# Altium PCB C3_AI_V2.PcbDoc (part 2 of 2)
Units mil, origin at the board's own origin, x right, y up, seen from the top; angles counter-clockwise.
Board outline 1771.65 x 1417.32 mil, 2 copper layers (Top Layer, Bottom Layer); 129 components, 82 nets, 390 pads, 222 vias.
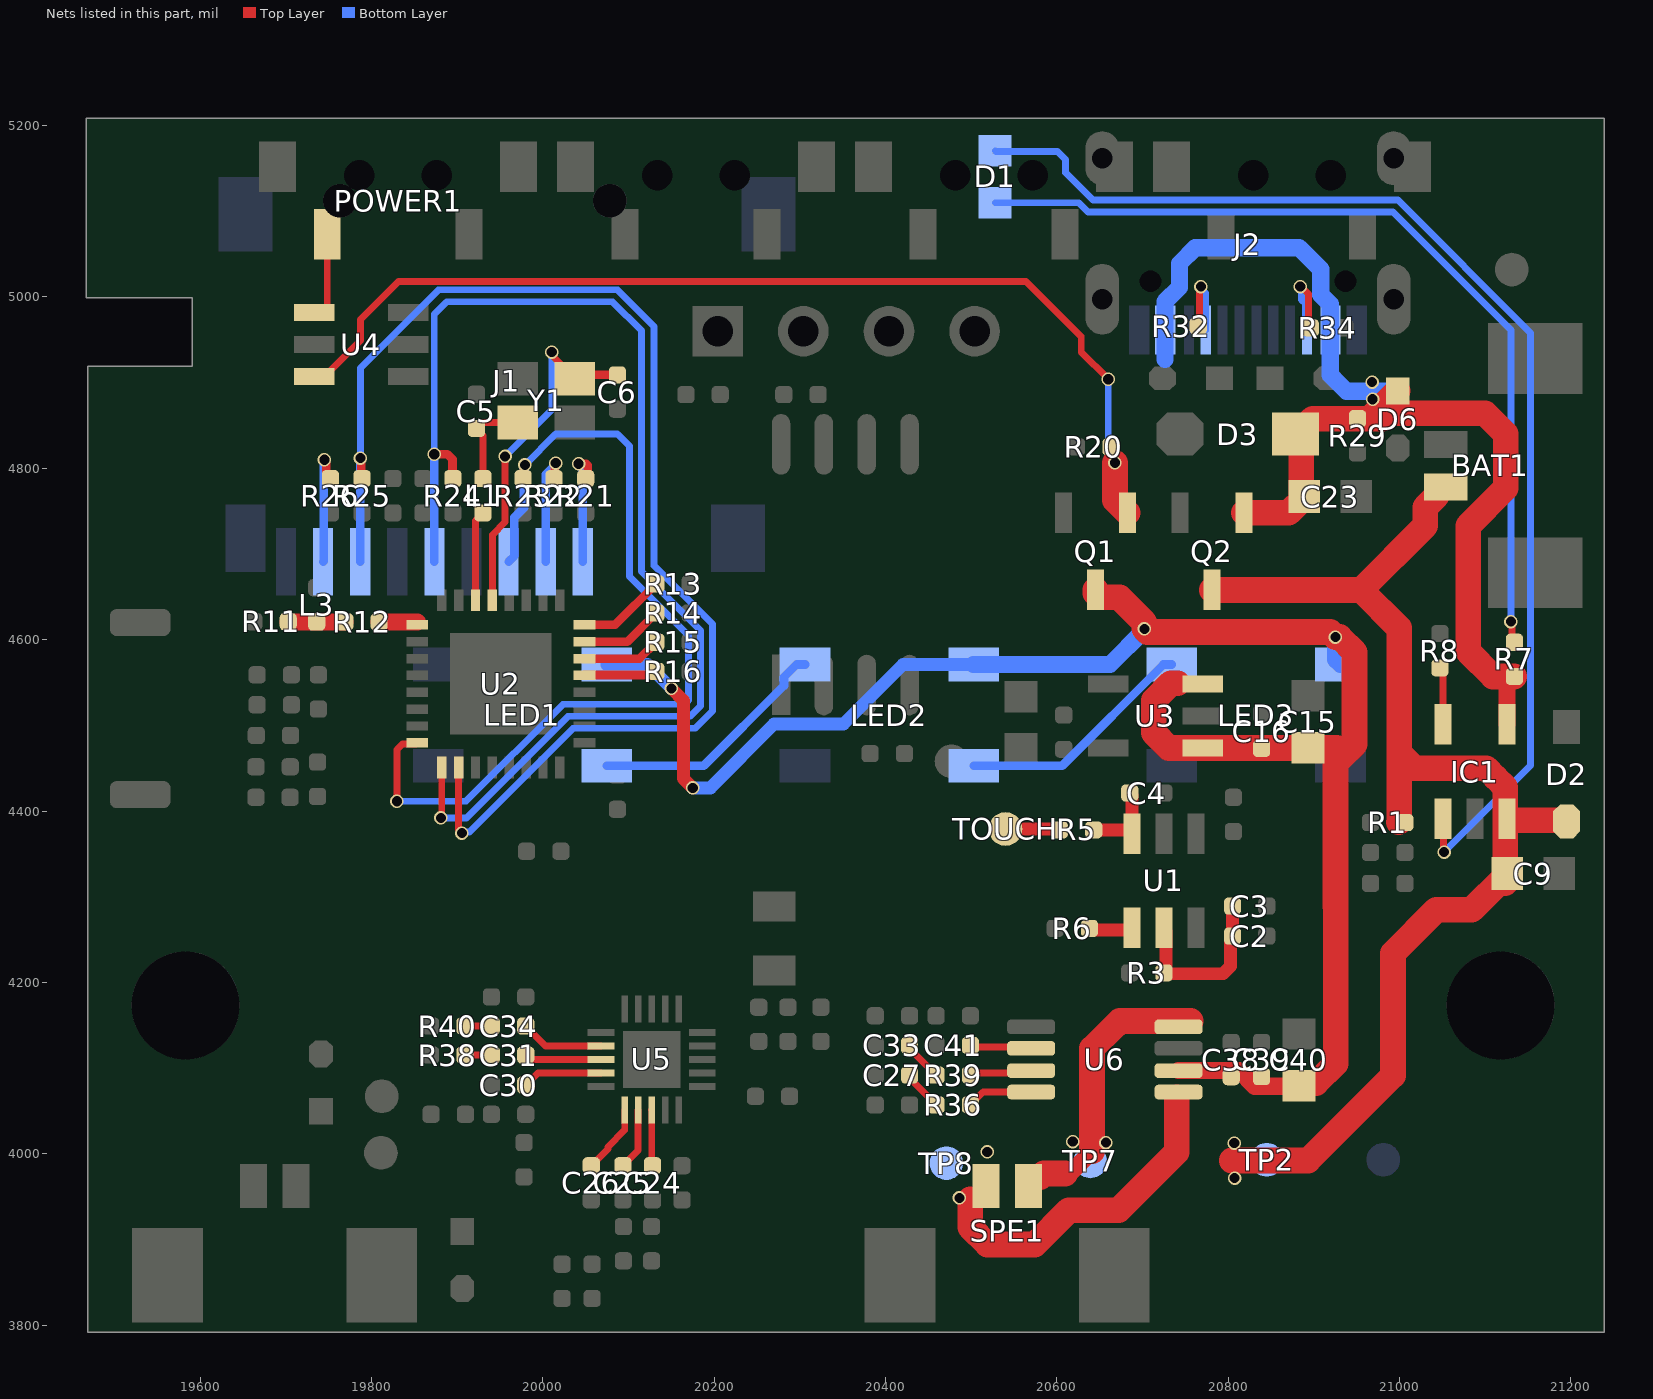
[diagram p2: the nets of this part, all layers, seen from the top]

## Via types
v1: diameter 15.75, hole 11.81, Top Layer to Bottom Layer, tented both sides, 222 vias

## Nets (pads, with @x,y where several pads share a name; then routed paths per layer and width w, separated by ;. In a path a pad name is that pad's centre, name@x,y a point inside that pad or via, vN(x,y) a via of type N, cw(c..) or ccw(c..) an arc to the next point about the centre after c; other vN are vias at no path point) (continued)
NetC2_2: C2.2 C3.2 R3.2 U1.5 | length 204.9
  Top Layer w15: U1.5@20723.88,4263.28 20727.35,4259.82 20727.35,4210 20793.89,4210 20802.68,4218.79 20802.68,4251.68 C2.2@20805,4254 C3.2@20805,4289
NetC4_2: C4.2 R5.2 U1.3 | length 90.9
  Top Layer w15: R5.2@20643,4378 20685.26,4378 20687.61,4375.66 U1.3@20687.61,4373.71 ; C4.2@20685,4421 20687.61,4418.39 U1.3@20687.61,4378.66
NetC5_2: C5.2 L1.2 Y1.1 | length 112.5
  Top Layer w8: L1.2@19930,4788 19930,4838.46 19922.5,4845.96 C5.2@19922.5,4846.5 19923.04,4846.5 19929.95,4853.41 Y1.1@19970.54,4853.41
NetC24_1: C24.1 U5.18 | length 65.4
  Top Layer w8: U5.18@20126.99,4050.95 20127.05,4050.89 20127.05,3986.95 C24.1@20128,3986
NetC25_1: C25.1 U5.17 | length 72.3
  Top Layer w8: C25.1@20093.5,3986 20111.25,4003.75 U5.17@20111.25,4050.95
NetC26_1: C26.1 U5.16 | length 81.1
  Top Layer w8: C26.1@20056.5,3986 20076,4005.5 20076,4008 20095.5,4027.5 U5.16@20095.5,4050.95
NetC27_1: C27.1 R36.1 | length 47.5
  Top Layer w8: C27.1@20428,4091.67 20433.38,4086.28 20433.38,4082.83 20459,4057.21 R36.1@20459,4057
NetC30_1: C30.1 U5.14 | length 93.8
  Top Layer w8: C30.1@19980,4080 19994.25,4094.25 U5.14@20067.94,4094.25
NetC31_1: C31.1 R38.2 | length 31
  Top Layer w8: R38.2@19909,4115 C31.1@19940,4115
NetC31_2: C31.2 U5.13 | length 90
  Top Layer w8: C31.2@19980,4115 19984.94,4110.06 20067.88,4110.06 U5.13@20067.94,4110
NetC33_1: C33.1 R39.1 | length 47.5
  Top Layer w8: C33.1@20428,4126.33 20433.38,4120.95 20433.38,4117.5 20459,4091.88 R39.1@20459,4091.67
NetC34_1: C34.1 R40.2 | length 31
  Top Layer w8: R40.2@19909,4149 C34.1@19940,4149
NetC34_2: C34.2 U5.12 | length 97.6
  Top Layer w8: C34.2@19980,4149 20003.25,4125.75 U5.12@20067.94,4125.75
NetC41_1: C41.1 U6.2 | length 72.4
  Top Layer w8: C41.1@20499,4126.33 20500.67,4124.67 20568.33,4124.67 U6.2@20570,4123
NetD1_A: D1.A R7.1 | length 1029.6
  Top Layer w8: v1(21129.87,4621) 21131.36,4619.52 21131.36,4599.64 R7.1@21134,4597
  Bottom Layer w8: D1.A@20528,5110 20625.2,5110 20636.17,5099.03 20992.27,5099.03 21129.87,4961.43 v1(21129.87,4621)
NetD1_K: D1.K IC1.1 | length 1409.4
  Top Layer w8: IC1.1@21050.6,4390.88 21051.3,4390.18 21051.3,4352.7 v1(21052,4352)
  Bottom Layer w8: D1.K@20528,5170.63 20528.91,5169.72 20600.6,5169.72 20610,5160.31 20610,5145 20641.97,5113.03 20998.07,5113.03 21153,4958.1 21153,4453 v1(21052,4352)
NetIC1_5: IC1.5 R8.1 | length 67
  Top Layer w8: IC1.5@21050.6,4501.12 21050.8,4501.32 21050.8,4567.8 R8.1@21051,4568
NetJ1_1: J1.1 R21.2 | length 144.5
  Top Layer w10: v1(20041.66,4805.36) 20050.44,4805.36 20052.54,4803.26 20052.54,4790.54 R21.2@20050,4788
  Bottom Layer w10: v1(20041.66,4805.36) 20046.61,4800.41 J1.1@20046.61,4691
NetJ1_2: J1.2 R22.2 | length 138.7
  Top Layer w10: R22.2@20013,4788 20014,4789 20014,4805 v1(20015,4806)
  Bottom Layer w10: J1.2@20003.31,4691 20003.31,4792.75 20015,4804.44 v1(20015,4806)
NetJ1_8: J1.8 R26.2 | length 144.5
  Top Layer w10: v1(19745,4810) 19745,4808.44 19747,4806.44 19747,4793 R26.2@19752,4788
  Bottom Layer w10: J1.8@19743.46,4691 19744.23,4691.77 19744.23,4809.23 v1(19745,4810)
NetJ2_A5: J2.A5 R32.2 | length 100.1
  Top Layer w8: R32.2@20765,4966 20766.52,4967.52 20766.52,5010.52 v1(20768,5012)
  Bottom Layer w8: v1(20768,5012) 20768,5009.9 20773.78,5004.12 J2.A5@20773.78,4961.53
NetJ2_B5: J2.B5 R34.1 | length 107.1
  Top Layer w8: v1(20884.1,5012) 20884.92,5012 20893.48,5003.44 20893.48,4966.52 R34.1@20896,4964
  Bottom Layer w8: v1(20884.1,5012) 20885.59,5010.52 20885.59,4996.74 20889.99,4992.35 20889.99,4963.44 J2.B5@20891.89,4961.53
NetL3_2: L3.2 R11.1 R12.2 | length 65.8
  Top Layer w20: R11.1@19702.86,4620.7 19735.94,4620.7 L3.2@19736.02,4620.61 ; L3.2@19736.34,4620.66 R12.2@19768.92,4620.66
NetLED1_2: LED1.2 LED2.4 | length 286
  Bottom Layer w10: LED1.2@20074.64,4452.9 20187.87,4452.9 20281.44,4546.47 20281.44,4556.31 20296.13,4571 LED2.4@20305.97,4571
NetLED2_2: LED2.2 LED3.4 | length 280.2
  Bottom Layer w10: LED2.2@20502.82,4452.9 20606.21,4452.9 20724.31,4571 LED3.4@20734.15,4571
NetPOWER1_1: POWER1.1 U4.4 | length 99.7
  Top Layer w8: U4.4@19733.88,4984.4 19742.48,4984.4 19748.32,4990.24 POWER1.1@19748.32,5073.1
NetR5_1: R5.1 TOUCH.1 | length 49.3
  Top Layer w15: TOUCH.1@20552,4379 R5.1@20601.26,4379
NetR6_2: R6.2 U1.4 | length 48.4
  Top Layer w15: R6.2@20639,4261 20684.2,4261 U1.4@20686.48,4263.28
NetR12_1: R12.1 U2.1 | length 44.4
  Top Layer w20: R12.1@19809,4620.72 U2.1@19853.39,4620.72
NetR13_2: R13.2 U2.24 | length 103.3
  Top Layer w10: U2.24@20048.47,4617.33 20084.33,4617.33 R13.2@20132,4665
NetR14_2: R14.2 U2.23 | length 97.3
  Top Layer w10: U2.23@20048.47,4597.64 20098.64,4597.64 R14.2@20132,4631
NetR15_2: R15.2 U2.22 | length 91.4
  Top Layer w10: U2.22@20048.47,4577.96 20112.96,4577.96 R15.2@20132,4597
NetR16_2: R16.2 U2.21 | length 85.5
  Top Layer w10: U2.21@20048.47,4558.27 20048.98,4558.78 20127.78,4558.78 R16.2@20132,4563
PA_INL+: R39.2 U6.3 | length 73.2
  Top Layer w8: R39.2@20499,4091.67 20501.67,4094.33 20567.33,4094.33 U6.3@20570,4097
PA_INL-: R36.2 U6.4 | length 77.2
  Top Layer w8: R36.2@20499,4057 20514,4072 U6.4@20570,4072
Power_EN: Q1.1 R20.2 U4.6 | length 1208.3
  Top Layer w8: U4.6@19733.88,4909.6 19747.66,4909.6 19787.25,4949.19 19787.25,4973.6 19831.55,5017.9 20564.13,5017.9 20628.36,4953.67 20628.36,4935.64 v1(20660,4904)
  Top Layer w30: v1(20667.76,4806.52) 20667.76,4762.64 Q1.1@20682.4,4748
  Bottom Layer w8: v1(20660,4904) 20660,4814.28 v1(20667.76,4806.52)
PS_Sup: C15.2 C16.2 C38.1 C39.1 C40.1 LED1.1 LED2.1 LED3.1 Q1.3 U3.1 U3.3 U6.6 | length 2190.7
  Top Layer w15: v1(20150,4543) 20164,4529 20164,4438 v1(20175,4427)
  Top Layer w20: U6.6@20742,4097 20803.44,4097 20812.7,4097 20831.01,4078.68 C40.1@20893.5,4078.68
  Top Layer w30: Q1.3@20645,4658 20645,4654.54 20650.16,4649.38 20672.95,4649.38 20702.03,4620.3 v1(20702.03,4612.56) 20705.64,4608.95 20919.05,4608.95 v1(20925,4603) 20929.91,4603 20947.48,4585.43 20947.48,4477.83 20932.29,4462.64 20925.26,4462.64 20925.26,4288.11 20925.44,4287.93 20925.44,4105.38 20902.52,4082.46 20886.82,4082.46 C40.1@20886.82,4078.68 ; 20741,4549 20733,4549 20713,4529 20713,4491.22 20730.57,4473.64 U3.1@20770.12,4473.6 20839,4473.64 20893,4473.64 20926.26,4473.64
  Bottom Layer w15: LED1.1@20074.64,4571 20122,4571 v1(20150,4543) ; v1(20175,4427) 20195.5,4427 20269.95,4501.45 20350.84,4501.45 20420.4,4571 LED2.1@20502.82,4571
  Bottom Layer w20: LED2.1@20502.82,4571 20662,4571 20702.03,4611.03 v1(20702.03,4612.56) ; v1(20925,4603) 20925,4577 LED3.1@20931,4571
SD_CLK: J1.5 R24.2 U2.9 | length 1479.9
  Top Layer w8: v1@19882.03,4392 U2.9@19882.03,4450.89
  Top Layer w10: v1(19873.17,4816.37) 19888.63,4816.37 19894.5,4810.5 19894.5,4788.5 R24.2@19895,4788
  Bottom Layer w8: v1(19873.17,4816.37) 19873.17,4979.75 19887.8,4994.37 20081.34,4994.37 20115,4960.72 20115,4679.58 20184.09,4610.49 20184.09,4522.66 20172.01,4510.59 20029.37,4510.59 19910.79,4392 v1(19881,4392)
  Bottom Layer w10: v1(19873.17,4816.37) 19873.38,4816.16 J1.5@19873.38,4691
SD_CMD: J1.3 R23.2 U2.8 | length 1082.3
  Top Layer w8: v1(19829.56,4411.4) 19829.56,4471.52 19836.05,4478.02 19851.88,4478.02 U2.8@19853.39,4479.53
  Top Layer w10: R23.2@19977,4788 19978,4789 19978,4803 v1(19979,4804)
  Bottom Layer w8: v1(19829.56,4411.4) 19910.39,4411.4 20023.57,4524.59 20165.4,4524.59 20170.09,4529.27 20170.09,4604.69 20101,4673.78 20101,4825.91 20086.91,4840 20015,4840 v1(19979,4804)
  Bottom Layer w10: J1.3@19960,4691 19966.81,4697.81 19966.81,4742.81 19978,4754 19978,4803 v1(19979,4804)
SD_DATA0: J1.7 R25.2 U2.10 | length 1556.4
  Top Layer w8: U2.10@19901.72,4450.89 19901.72,4378.28 19905.51,4374.49 v1(19905.51,4374.13)
  Top Layer w10: v1(19787,4812) 19788,4811 19788,4789 R25.2@19789,4788
  Bottom Layer w8: v1(19787,4812) 19787,4917 19878.37,5008.37 20087.14,5008.37 20129.91,4965.6 20129.91,4686.29 20198.09,4618.11 20198.09,4516.86 20177.81,4496.59 20035.17,4496.59 19914.2,4375.61 19906.99,4375.61 v1(19905.51,4374.13)
  Bottom Layer w10: J1.7@19786.77,4691 19786.77,4811.77 v1(19787,4812)
SPEAKER_N: SPE1.1 TP7.1 U6.8 | length 343.5
  Top Layer w20: 20612.35,3974.35 20641,4003
  Top Layer w30: SPE1.1@20566.61,3962.12 20566.61,3971.96 20567.35,3972.71 20580.71,3972.71 20584.93,3976.93 20609.78,3976.93 ; 20641,4003 20641,4122.73 20667.77,4149.5 20667.97,4149.5 20673.32,4154.85 20742,4154.85 U6.8@20755.9,4154.85
  other v1: 20657.17,4013.03 20618.48,4014.19
SPEAKER_P: SPE1.2 TP8.1 U6.5 | length 390.4
  Top Layer w30: 20499,3947 20499,3914 20519,3894 20574,3894 20614,3934 20671.88,3934 20739.88,4002 U6.5@20739.88,4065.5
  other v1: 20486.14,3948.49 20518.76,4002.16
VBUS: C23.2 D3.1 D6.1 IC1.4 J2.A4 J2.A9 J2.B4 J2.B9 Q2.1 R7.2 R29.2 | length 1366.5
  Top Layer w20: IC1.4@21125.4,4501.12 21125.56,4501.28 21125.56,4548.56 R7.2@21134,4557
  Top Layer w30: Q2.1@20818.4,4748 20870.67,4748 20888.69,4766.02 C23.2@20888.69,4767 20885.38,4770.31 20885.38,4833.12 D3.1@20878.5,4840 20881,4840 20898.81,4857.81 20950.81,4857.81 R29.2@20951,4858 20965.06,4858 ; D6.1@20998,4890.46 20997.53,4890.46 20972.6,4865.53 20965.06,4858 ; R7.2@21134,4557 21109.05,4557 21080,4586.05 21080,4733 21124,4777 21124,4840 21099.65,4864.35 20986.48,4864.35 20980.13,4858 20965.06,4858
  Bottom Layer w20: 20726,4927 20726,4961.53 20726,4994.37 20743,5011.37 20743,5039 20761.5,5057.5 20882.79,5057.5 20907.98,5032.31 20907.98,5002.64 20918.99,4991.63 20918.99,4961.22 20918.99,4909.01 20938,4890 20982,4890
  other v1: 20968.57,4880.67 20967.86,4900.66
VCC_BAT_IN: BAT1.2 C9.1 D2.2 IC1.3 Q2.3 R1.2 TP2.1 | length 1494
  Top Layer w30: Q2.3@20781,4658 20955,4658 ; 20804,3992 20893,3992 20992.21,4091.21 20992.21,4234 21042.79,4284.58 21084.25,4284.58 21122.38,4322.71 C9.1@21123.31,4322.71 ; R1.2@20999,4387 20999.5,4387.5 20999.5,4467.57 ; BAT1.2@21053.88,4778.39 21044.04,4778.39 21043.29,4777.65 21043.29,4767.8 21030,4754.51 21030,4733 20955,4658 ; C9.1@21123.31,4316 21123.31,4427.69 21111.99,4439.01 21101,4450 21017.07,4450 20999.5,4467.57 ; IC1.3@21125.4,4390.88 21126.9,4389.38 21194.25,4389.38 21195,4388.63 D2.2@21195,4387.88 ; 20955,4658 20999.5,4613.5 20999.5,4467.57
  other v1: 20807.33,3971.56 20807.04,4012.27
X40MI: L1.1 U2.30 | length 105.6
  Top Layer w8: U2.30@19921.4,4645.97 19921.4,4738.86 19930,4747.46 L1.1@19930,4748
X40MO: C6.1 U2.29 Y1.3 | length 411.9
  Top Layer w8: U2.29@19941.09,4645.97 19941.09,4722.43 19956,4737.34 v1(19956,4814) ; v1(20010.42,4935.59) 20010.42,4931.64 Y1.3@20037.46,4904.59
  Top Layer w10: Y1.3@20037.46,4904.59 20041.87,4909 C6.1@20087,4909
  Bottom Layer w8: v1(19956,4814) 20010.42,4868.42 v1(20010.42,4935.59)
pads on no net: A1. BOOT1.0 J1.0 J1.9 J1.11 J1.12 J1.13 J2.0 J2.1 J2.A8 J2.B8 LED3.2 POWER1.0 S1.0 SCREW1.1 SCREW2.1 SPE1.0 U3.4 U4.3 U4.5 VOL_DOWN1.0

## Polygon pours and split planes (outlines as drawn)
ADC_GND on Top Layer "NONET_L01_P-001" (solid, remove dead copper, pour order 3): 19470,4223 19474,4219 21241,4219 21241,3788 21243,3786 19466,3786 19466,4213 19472,4219
GND on Top Layer "NONET_L01_P-001" (solid, remove dead copper, pour order 0): 19475,5216 19479,5212 21241,5212 21241,4250 19473,4250 19473,5214
ADC_GND on Bottom Layer "NONET_L01_P-001" (solid, remove dead copper, pour order 4): 19470,4227 19474,4223 21241,4223 21241,3792 21243,3790 19466,3790 19466,4217 19472,4223
GND on Bottom Layer "NONET_L01_P-001" (solid, remove dead copper, pour order 2): 19470,5218 19474,5214 21236,5214 21236,4251 19468,4251 19468,5216

## Other copper
Top Layer:
  rectangle net VCC_BAT_IN: 20791,3958 20888,4027
  rectangle net SPEAKER_N: 20609,3965 20667,4025
  rectangle net SPEAKER_P: 20465,3937 20531,4014
  rectangle net VBUS: 20955,4872 21014,4911
  pour cut-out: 19836.34,4606 19836.58,4631.83 19832.06,4636.35 19635,4636.35 19635,5208.68 19466.66,5208.67 19466.66,3791.35 19635,3791.35 19635,4606
Bottom Layer:
  rectangle net 3V3_ESP32: 19657,4265.39 20322.68,4299.43
  rectangle net VCC_BAT_IN: 20791,3961 20889,4026
  rectangle net SPEAKER_N: 20609,3966 20667,4025
  rectangle net SPEAKER_P: 20466,3939 20530,4013
  rectangle net VBUS: 20955,4872 21013,4911
  pour cut-out: 19868,4606 19868,4636.35 19634,4636.35 19634,5208.68 19466.66,5208.67 19466.66,3791.35 19634,3791.35 19634,4606

## Silkscreen, mask and mechanical layers (free items; w line width, h text height)
Top Overlay:
  lines w10: 19468.89,4146 19587,4146 19587,3791.67 ; 19831,5140 20874.31,5140 ; 20352.83,4999 20352.83,5207 ; 20824.19,5113.62 21237.58,5113.62 ; 21120.89,3792.67 21120.89,4147 21239,4147
  text "GND" at 21105.51,5073.62 h60
  text "BAT+" at 20934,4692 h60
  text "3V3" at 20409,4380.5 h60
  text "M-" at 19853,4061 h60
  text "M-" at 19635,4007 h60
  text "M+" at 19853,3980 h60
Bottom Overlay:
  text "JLCJLCJLCJLC" at 20185,4839 h39.37
  text "SPEAKER-" at 20769,4044.5 h60
  text "SPEAKER+" at 20569.86,3910.57 h60
  text "BAT+" at 20894,3910 h60
  text "BAT-" at 21037.61,3908.46 h60
Top Solder:
  text "XiaoZhi AI" at 20764,3831 h98.43
Mechanical 1:
  lines w10: 19467,4999 19467,5208.67 21238.65,5208.67 21238.65,3791.35 19469,3791.35 19469,4229 19469,4311 19469,4919 19591,4919 19591,4999 19467,4999
Mechanical 20:
  text "R" at 18527.48,6863.83 h98.43
  text "G" at 18596.2,6863.83 h98.43
  text "B" at 18665.99,6863.83 h98.43
Mechanical 21:
  text "PANEL PROC KEY" at 18514.62,5067.61 h0.49
  text "PANEL PROC KEY" at 19420.13,5067.61 h0.49
Mechanical 28:
  text "VGH" at 18746.74,5065.63 h0.49 r90
  text "VGH" at 18751.46,5065.63 h0.49 r90
  text "VGH" at 18756.19,5065.63 h0.49 r90
  text "VGH" at 18760.91,5065.63 h0.49 r90
  text "VPP" at 18765.64,5065.55 h0.49 r90
  text "VPP" at 18770.36,5065.55 h0.49 r90
  text "VPP" at 18775.09,5065.55 h0.49 r90
  text "VCC" at 18779.81,5065.63 h0.49 r90
  text "VCC" at 18784.53,5065.63 h0.49 r90
  text "VCC" at 18789.26,5065.63 h0.49 r90
  text "VCC" at 18793.98,5065.63 h0.49 r90
  text "VCC" at 18798.71,5065.63 h0.49 r90
  text "VCC" at 18803.43,5065.63 h0.49 r90
  text "SDO" at 18869.57,5065.71 h0.49 r90
  text "TE" at 18874.3,5065.88 h0.49 r90
  text "SDA" at 18964.06,5065.71 h0.49 r90
  text "RDX" at 18987.68,5065.63 h0.49 r90
  text "WRX" at 18992.41,5065.55 h0.49 r90
  text "DCX" at 18997.13,5065.71 h0.49 r90
  text "CSX" at 19001.86,5065.71 h0.49 r90
  text "IM0" at 19011.31,5065.75 h0.49 r90
  text "IM1" at 19016.03,5065.8 h0.49 r90
  text "IM2" at 19020.76,5065.71 h0.49 r90
  text "IM3" at 19025.48,5065.71 h0.49 r90
  text "VDD" at 19096.35,5065.63 h0.49 r90
  text "VDD" at 19101.07,5065.63 h0.49 r90
  text "VDD" at 19105.79,5065.63 h0.49 r90
  text "VDD" at 19110.52,5065.63 h0.49 r90
  text "V20" at 19129.42,5065.59 h0.49 r90
  text "V20" at 19134.14,5065.59 h0.49 r90
  text "V20" at 19138.87,5065.59 h0.49 r90
  text "VAP" at 19143.59,5065.55 h0.49 r90
  text "VAP" at 19148.31,5065.55 h0.49 r90
  text "VAP" at 19153.04,5065.55 h0.49 r90
  text "VAN" at 19157.76,5065.55 h0.49 r90
  text "VAN" at 19162.49,5065.55 h0.49 r90
  text "VAN" at 19167.21,5065.55 h0.49 r90
  text "VGL" at 19200.28,5065.63 h0.49 r90
  text "VGL" at 19205.01,5065.63 h0.49 r90
  text "VAG" at 19233.35,5065.55 h0.49 r90
  text "GND" at 19256.98,5065.71 h0.49 r90
  text "DUMMY" at 18671.15,5065.22 h0.49 r90
  text "NULL" at 18675.87,5065.39 h0.49 r90
  text "DUMMY" at 18680.6,5065.22 h0.49 r90
  text "DUMMY" at 18685.32,5065.22 h0.49 r90
  text "VCOM" at 18690.05,5065.39 h0.49 r90
  text "VCOM" at 18694.77,5065.39 h0.49 r90
  text "VCOM" at 18699.5,5065.39 h0.49 r90
  text "VCOM" at 18704.22,5065.39 h0.49 r90
  text "DUMMYR2" at 18708.94,5064.73 h0.49 r90
  text "DUMMYR1" at 18713.67,5064.81 h0.49 r90
  text "AGND" at 18718.39,5065.47 h0.49 r90
  text "AGND" at 18723.12,5065.47 h0.49 r90
  text "AGND" at 18727.84,5065.47 h0.49 r90
  text "DUMMY" at 18732.57,5065.22 h0.49 r90
  text "DUMMY" at 18737.29,5065.22 h0.49 r90
  text "DUMMY" at 18742.01,5065.22 h0.49 r90
  text "VDDI" at 18808.16,5065.47 h0.49 r90
  text "VDDI" at 18812.88,5065.47 h0.49 r90
  text "VDDI" at 18817.61,5065.47 h0.49 r90
  text "VDDI" at 18822.33,5065.47 h0.49 r90
  text "DB<23>" at 18827.05,5065.06 h0.49 r90
  text "DB<22>" at 18831.78,5065.06 h0.49 r90
  text "DB<21>" at 18836.5,5065.14 h0.49 r90
  text "DB<20>" at 18841.23,5065.1 h0.49 r90
  text "DB<19>" at 18845.95,5065.14 h0.49 r90
  text "DB<18>" at 18850.68,5065.14 h0.49 r90
  text "LED_EN" at 18860.13,5064.97 h0.49 r90
  text "LED_PWM" at 18864.85,5064.65 h0.49 r90
  text "DB<17>" at 18879.02,5065.14 h0.49 r90
  text "DB<16>" at 18883.75,5065.14 h0.49 r90
  text "DB<15>" at 18888.47,5065.14 h0.49 r90
  text "DB<14>" at 18893.2,5065.14 h0.49 r90
  text "DB<13>" at 18897.92,5065.14 h0.49 r90
  text "DB<12>" at 18902.64,5065.14 h0.49 r90
  text "DB<11>" at 18907.37,5065.22 h0.49 r90
  text "DB<10>" at 18912.09,5065.18 h0.49 r90
  text "DB<9>" at 18916.82,5065.3 h0.49 r90
  text "DB<8>" at 18921.54,5065.3 h0.49 r90
  text "DB<7>" at 18926.27,5065.3 h0.49 r90
  text "DB<6>" at 18930.99,5065.3 h0.49 r90
  text "DB<5>" at 18935.72,5065.3 h0.49 r90
  text "DB<4>" at 18940.44,5065.3 h0.49 r90
  text "DB<3>" at 18945.16,5065.3 h0.49 r90
  text "DB<2>" at 18949.89,5065.3 h0.49 r90
  text "DB<1>" at 18954.61,5065.39 h0.49 r90
  text "DB<0>" at 18959.34,5065.34 h0.49 r90
  text "DOTCLK" at 18968.79,5064.97 h0.49 r90
  text "ENABLE" at 18973.51,5064.97 h0.49 r90
  text "HSYNC" at 18978.24,5065.22 h0.49 r90
  text "VSYNC" at 18982.96,5065.14 h0.49 r90
  text "RESX" at 19006.58,5065.39 h0.49 r90
  text "EXTC" at 19030.2,5065.39 h0.49 r90
  text "DUMMY" at 19034.93,5065.22 h0.49 r90
  text "DGND" at 19039.65,5065.47 h0.49 r90
  text "DGND" at 19044.38,5065.47 h0.49 r90
  text "DGND" at 19049.1,5065.47 h0.49 r90
  text "DGND" at 19053.83,5065.47 h0.49 r90
  text "AGND" at 19058.55,5065.47 h0.49 r90
  text "AGND" at 19063.27,5065.47 h0.49 r90
  text "AGND" at 19068,5065.47 h0.49 r90
  text "AGND" at 19072.72,5065.47 h0.49 r90
  text "AGND" at 19077.45,5065.47 h0.49 r90
  text "AGND" at 19082.17,5065.47 h0.49 r90
  text "AGND" at 19086.9,5065.47 h0.49 r90
  text "AGND" at 19091.62,5065.47 h0.49 r90
  text "DUMMY" at 19115.24,5065.22 h0.49 r90
  text "DUMMY" at 19119.97,5065.22 h0.49 r90
  text "DUMMY" at 19124.69,5065.22 h0.49 r90
  text "AVCL" at 19171.94,5065.39 h0.49 r90
  text "AVCL" at 19176.66,5065.39 h0.49 r90
  text "AVCL" at 19181.38,5065.39 h0.49 r90
  text "AVDD" at 19186.11,5065.39 h0.49 r90
  text "AVDD" at 19190.83,5065.39 h0.49 r90
  text "AVDD" at 19195.56,5065.39 h0.49 r90
  text "DUMMY" at 19209.73,5065.22 h0.49 r90
  text "DUMMY" at 19214.46,5065.22 h0.49 r90
  text "DUMMY" at 19219.18,5065.22 h0.49 r90
  text "VDDGX" at 19223.9,5065.14 h0.49 r90
  text "VDDS" at 19228.63,5065.39 h0.49 r90
  text "VCOM" at 19238.08,5065.39 h0.49 r90
  text "VCOM" at 19242.8,5065.39 h0.49 r90
  text "VCOM" at 19247.53,5065.39 h0.49 r90
  text "VCOM" at 19252.25,5065.39 h0.49 r90
  text "NULL" at 19261.7,5065.39 h0.49 r90
  text "DUMMY" at 19266.42,5065.22 h0.49 r90
  text "VDDI_LED" at 18855.4,5064.48 h0.49 r90
  text "9" at 19228.9,5055.57 h0.49 r90
  text "8" at 19233.63,5055.57 h0.49 r90
  text "7" at 19238.35,5055.57 h0.49 r90
  text "6" at 19243.08,5055.57 h0.49 r90
  text "5" at 19247.8,5055.57 h0.49 r90
  text "4" at 19252.52,5055.57 h0.49 r90
  text "3" at 19257.25,5055.57 h0.49 r90
  text "2" at 19261.97,5055.57 h0.49 r90
  text "1" at 19266.7,5055.65 h0.49 r90
  text "127" at 18671.42,5055.16 h0.49 r90
  text "126" at 18676.15,5055.16 h0.49 r90
  text "125" at 18680.87,5055.16 h0.49 r90
  text "124" at 18685.6,5055.16 h0.49 r90
  text "123" at 18690.32,5055.16 h0.49 r90
  text "122" at 18695.04,5055.16 h0.49 r90
  text "121" at 18699.77,5055.24 h0.49 r90
  text "120" at 18704.49,5055.2 h0.49 r90
  text "119" at 18709.22,5055.24 h0.49 r90
  text "118" at 18713.94,5055.24 h0.49 r90
  text "117" at 18718.67,5055.24 h0.49 r90
  text "116" at 18723.39,5055.24 h0.49 r90
  text "115" at 18728.11,5055.24 h0.49 r90
  text "114" at 18732.84,5055.24 h0.49 r90
  text "113" at 18737.56,5055.24 h0.49 r90
  text "112" at 18742.29,5055.24 h0.49 r90
  text "111" at 18747.01,5055.32 h0.49 r90
  text "110" at 18751.74,5055.28 h0.49 r90
  text "109" at 18756.46,5055.2 h0.49 r90
  text "108" at 18761.19,5055.2 h0.49 r90
  text "107" at 18765.91,5055.2 h0.49 r90
  text "106" at 18770.63,5055.2 h0.49 r90
  text "105" at 18775.36,5055.2 h0.49 r90
  text "104" at 18780.08,5055.2 h0.49 r90
  text "103" at 18784.81,5055.2 h0.49 r90
  text "102" at 18789.53,5055.2 h0.49 r90
  text "101" at 18794.26,5055.28 h0.49 r90
  text "100" at 18798.98,5055.24 h0.49 r90
  text "99" at 18803.71,5055.32 h0.49 r90
  text "98" at 18808.43,5055.32 h0.49 r90
  text "97" at 18813.15,5055.32 h0.49 r90
  text "96" at 18817.88,5055.32 h0.49 r90
  text "95" at 18822.6,5055.32 h0.49 r90
  text "94" at 18827.33,5055.32 h0.49 r90
  text "93" at 18832.05,5055.32 h0.49 r90
  text "92" at 18836.78,5055.32 h0.49 r90
  text "91" at 18841.5,5055.4 h0.49 r90
  text "90" at 18846.23,5055.36 h0.49 r90
  text "89" at 18850.95,5055.32 h0.49 r90
  text "88" at 18855.67,5055.32 h0.49 r90
  text "87" at 18860.4,5055.32 h0.49 r90
  text "86" at 18865.12,5055.32 h0.49 r90
  text "85" at 18869.85,5055.32 h0.49 r90
  text "84" at 18874.57,5055.32 h0.49 r90
  text "83" at 18879.3,5055.32 h0.49 r90
  text "82" at 18884.02,5055.32 h0.49 r90
  text "81" at 18888.74,5055.4 h0.49 r90
  text "80" at 18893.47,5055.36 h0.49 r90
  text "79" at 18898.19,5055.32 h0.49 r90
  text "78" at 18902.92,5055.32 h0.49 r90
  text "77" at 18907.64,5055.32 h0.49 r90
  text "76" at 18912.37,5055.32 h0.49 r90
  text "75" at 18917.09,5055.32 h0.49 r90
  text "74" at 18921.82,5055.32 h0.49 r90
  text "73" at 18926.54,5055.32 h0.49 r90
  text "72" at 18931.26,5055.32 h0.49 r90
  text "71" at 18935.99,5055.4 h0.49 r90
  text "70" at 18940.71,5055.36 h0.49 r90
  text "69" at 18945.44,5055.32 h0.49 r90
  text "68" at 18950.16,5055.32 h0.49 r90
  text "67" at 18954.89,5055.32 h0.49 r90
  text "66" at 18959.61,5055.32 h0.49 r90
  text "65" at 18964.34,5055.32 h0.49 r90
  text "64" at 18969.06,5055.32 h0.49 r90
  text "63" at 18973.78,5055.32 h0.49 r90
  text "62" at 18978.51,5055.32 h0.49 r90
  text "61" at 18983.23,5055.4 h0.49 r90
  text "60" at 18987.96,5055.36 h0.49 r90
  text "59" at 18992.68,5055.32 h0.49 r90
  text "58" at 18997.41,5055.32 h0.49 r90
  text "57" at 19002.13,5055.32 h0.49 r90
  text "56" at 19006.85,5055.32 h0.49 r90
  text "55" at 19011.58,5055.32 h0.49 r90
  text "54" at 19016.3,5055.32 h0.49 r90
  text "53" at 19021.03,5055.32 h0.49 r90
  text "52" at 19025.75,5055.32 h0.49 r90
  text "51" at 19030.48,5055.4 h0.49 r90
  text "50" at 19035.2,5055.36 h0.49 r90
  text "49" at 19039.93,5055.32 h0.49 r90
  text "48" at 19044.65,5055.32 h0.49 r90
  text "47" at 19049.37,5055.32 h0.49 r90
  text "46" at 19054.1,5055.32 h0.49 r90
  text "45" at 19058.82,5055.32 h0.49 r90
  text "44" at 19063.55,5055.32 h0.49 r90
  text "43" at 19068.27,5055.32 h0.49 r90
  text "42" at 19073,5055.32 h0.49 r90
  text "41" at 19077.72,5055.4 h0.49 r90
  text "40" at 19082.45,5055.36 h0.49 r90
  text "39" at 19087.17,5055.32 h0.49 r90
  text "38" at 19091.89,5055.32 h0.49 r90
  text "37" at 19096.62,5055.32 h0.49 r90
  text "36" at 19101.34,5055.32 h0.49 r90
  text "35" at 19106.07,5055.32 h0.49 r90
  text "34" at 19110.79,5055.32 h0.49 r90
  text "33" at 19115.52,5055.32 h0.49 r90
  text "32" at 19120.24,5055.32 h0.49 r90
  text "31" at 19124.97,5055.4 h0.49 r90
  text "30" at 19129.69,5055.36 h0.49 r90
  text "29" at 19134.41,5055.32 h0.49 r90
  text "28" at 19139.14,5055.32 h0.49 r90
  text "27" at 19143.86,5055.32 h0.49 r90
  text "26" at 19148.59,5055.32 h0.49 r90
  text "25" at 19153.31,5055.32 h0.49 r90
  text "24" at 19158.04,5055.32 h0.49 r90
  text "23" at 19162.76,5055.32 h0.49 r90
  text "22" at 19167.48,5055.32 h0.49 r90
  text "21" at 19172.21,5055.4 h0.49 r90
  text "20" at 19176.93,5055.36 h0.49 r90
  text "19" at 19181.66,5055.4 h0.49 r90
  text "18" at 19186.38,5055.4 h0.49 r90
  text "17" at 19191.11,5055.4 h0.49 r90
  text "16" at 19195.83,5055.4 h0.49 r90
  text "15" at 19200.56,5055.4 h0.49 r90
  text "14" at 19205.28,5055.4 h0.49 r90
  text "13" at 19210,5055.4 h0.49 r90
  text "12" at 19214.73,5055.4 h0.49 r90
  text "11" at 19219.45,5055.48 h0.49 r90
  text "10" at 19224.18,5055.44 h0.49 r90
Mechanical 35:
  text "K" at 23823.04,5328.67 h39.37
  text "A" at 23721.39,5326.64 h39.37
  text "A" at 18702.57,4643.36 h39.37
  text "K" at 18600.91,4641.32 h39.37
Mechanical 42:
  circle w0.5: c23159.22,5313.2 r5.91
  circle w0.5: c23182.84,5344.69 r5.91
  circle w0.5: c23159.22,5250.21 r5.91
  circle w0.5: c23182.84,5281.7 r5.91
  circle w0.5: c23159.22,5187.21 r5.91
  circle w0.5: c23182.84,5218.71 r5.91
  circle w0.5: c19264.99,4656.25 r5.91
  circle w0.5: c19241.37,4624.75 r5.91
  circle w0.5: c19264.99,4719.24 r5.91
  circle w0.5: c19241.37,4687.74 r5.91
  circle w0.5: c19264.99,4782.23 r5.91
  circle w0.5: c19241.37,4750.74 r5.91
  region: 23267.66,5120.74 23070.81,5120.74 23070.81,5396.33 23267.66,5396.33
  region: 19355.74,4578.88 19158.89,4578.88 19158.89,4854.47 19355.74,4854.47
  lines w0.5: 18884.98,4617.92 ccw(c18896.79,4617.92) 18896.79,4606.11 ; 18884.98,4810.83 cw(c18896.79,4810.83) 18896.79,4822.64 ; 19002.99,4822.64 ccw(c19002.99,4842.33) 19022.67,4842.33 ; 19121.1,4813.73 ccw(c19132.91,4813.73) 19132.91,4801.92 ; 19213.25,4617.86 ccw(c19210.3,4624.75) 19213.25,4631.64 ; 19213.25,4649.36 ccw(c19210.3,4656.25) 19213.25,4663.14 ; 19213.25,4680.85 ccw(c19210.3,4687.74) 19213.25,4694.63 ; 19213.25,4712.35 ccw(c19210.3,4719.24) 19213.25,4726.13 ; 19213.25,4743.85 ccw(c19210.3,4750.74) 19213.25,4757.63 ; 19213.25,4775.34 ccw(c19210.3,4782.23) 19213.25,4789.12 ; 19231.78,4617.86 ccw(c19241.37,4624.75) 19250.97,4617.86 ; 19231.78,4631.64 cw(c19241.37,4624.75) 19250.97,4631.64 ; 19231.78,4680.85 ccw(c19241.37,4687.74) 19250.97,4680.85 ; 19231.78,4694.63 cw(c19241.37,4687.74) 19250.97,4694.63 ; 19231.78,4743.85 ccw(c19241.37,4750.74) 19250.97,4743.85 ; 19231.78,4757.63 cw(c19241.37,4750.74) 19250.97,4757.63 ; 19255.4,4649.36 ccw(c19264.99,4656.25) 19274.59,4649.36 ; 19255.4,4663.14 cw(c19264.99,4656.25) 19274.59,4663.14 ; 19255.4,4712.35 ccw(c19264.99,4719.24) 19274.59,4712.35 ; 19255.4,4726.13 cw(c19264.99,4719.24) 19274.59,4726.13 ; 19255.4,4775.34 ccw(c19264.99,4782.23) 19274.59,4775.34 ; 19255.4,4789.12 cw(c19264.99,4782.23) 19274.59,4789.12 ; 19284.12,4606.11 ccw(c19284.12,4613.98) 19291.99,4613.98 ; 19284.12,4801.92 cw(c19284.12,4794.04) 19291.99,4794.04 ; 23132.22,5175.4 ccw(c23140.1,5175.4) 23140.1,5167.53 ; 23132.22,5355.46 cw(c23140.1,5355.46) 23140.1,5363.34 ; 23149.62,5180.32 ccw(c23159.22,5187.21) 23168.81,5180.32 ; 23149.62,5194.1 cw(c23159.22,5187.21) 23168.81,5194.1 ; 23149.62,5243.32 ccw(c23159.22,5250.21) 23168.81,5243.32 ; 23149.62,5257.1 cw(c23159.22,5250.21) 23168.81,5257.1 ; 23149.62,5306.31 ccw(c23159.22,5313.2) 23168.81,5306.31 ; 23149.62,5320.09 cw(c23159.22,5313.2) 23168.81,5320.09 ; 23173.24,5211.82 ccw(c23182.84,5218.71) 23192.43,5211.82 ; 23173.24,5225.6 cw(c23182.84,5218.71) 23192.43,5225.6 ; 23173.24,5274.81 ccw(c23182.84,5281.7) 23192.43,5274.81 ; 23173.24,5288.59 cw(c23182.84,5281.7) 23192.43,5288.59 ; 23173.24,5337.8 ccw(c23182.84,5344.69) 23192.43,5337.8 ; 23173.24,5351.58 cw(c23182.84,5344.69) 23192.43,5351.58 ; 23210.96,5180.32 cw(c23213.91,5187.21) 23210.96,5194.1 ; 23210.96,5211.82 cw(c23213.91,5218.71) 23210.96,5225.6 ; 23210.96,5243.32 cw(c23213.91,5250.21) 23210.96,5257.1 ; 23210.96,5274.81 cw(c23213.91,5281.7) 23210.96,5288.59 ; 23210.96,5306.31 cw(c23213.91,5313.2) 23210.96,5320.09 ; 23210.96,5337.8 cw(c23213.91,5344.69) 23210.96,5351.58 ; 23291.3,5167.53 cw(c23291.3,5155.72) 23303.11,5155.72 ; 23401.54,5127.12 cw(c23421.22,5127.12) 23421.22,5146.8 ; 23527.42,5146.8 ccw(c23527.42,5158.61) 23539.23,5158.61 ; 23527.42,5363.34 cw(c23527.42,5351.53) 23539.23,5351.53
Mechanical 43:
  text "COVER LENS 0.7MM" at 15719.02,8601.06 h78.08
Mechanical 46:
  text "FILM 0.125MM" at 15720.09,8114.58 h78.08
Mechanical 47:
  text "OCA 0.125MM" at 15719.02,8372.4 h78.08
Mechanical 48:
  text "触摸点数" at 21642.04,8545.85 h49.96
  text "TFT分辨率" at 22819.82,8545.76 h54.95
  text "多点" at 22227.44,8539.07 h54.6
  text "*" at 23393.98,8537.89 h54.6
  text "IIC通讯电压" at 21610.25,8391.82 h49.96
  text "3.3V" at 22216.76,8391.59 h54.6
  text "3.3V" at 23427.86,8389.68 h68.25
  text "VDD供电电压" at 22772.5,8385.92 h54.95
  text "IIC通信地址" at 21619.34,8251.67 h49.96
  text "0XAB" at 22208.44,8234.77 h54.6
  text "左上角" at 23427.86,8224.08 h68.25
  text "坐标原点" at 22840.48,8218.13 h54.95

## Text inside footprints (layer, text, board x,y; h text height)
J2: Bottom Overlay "USB" at 20753,5107 h50 r180